# Altium PCB CRD25DA12N-FMC V1.1 (07-2023).PcbDoc (part 5 of 7)
Units mil, origin at the board's own origin, x right, y up, seen from the top; angles counter-clockwise.
Board outline 8000 x 8000 mil, 6 copper layers (Top Layer, Layer 2, Layer 3, Layer 4, Layer 5, Bottom Layer), stack 91 mil thick; 542 components, 315 nets, 1585 pads, 558 vias.
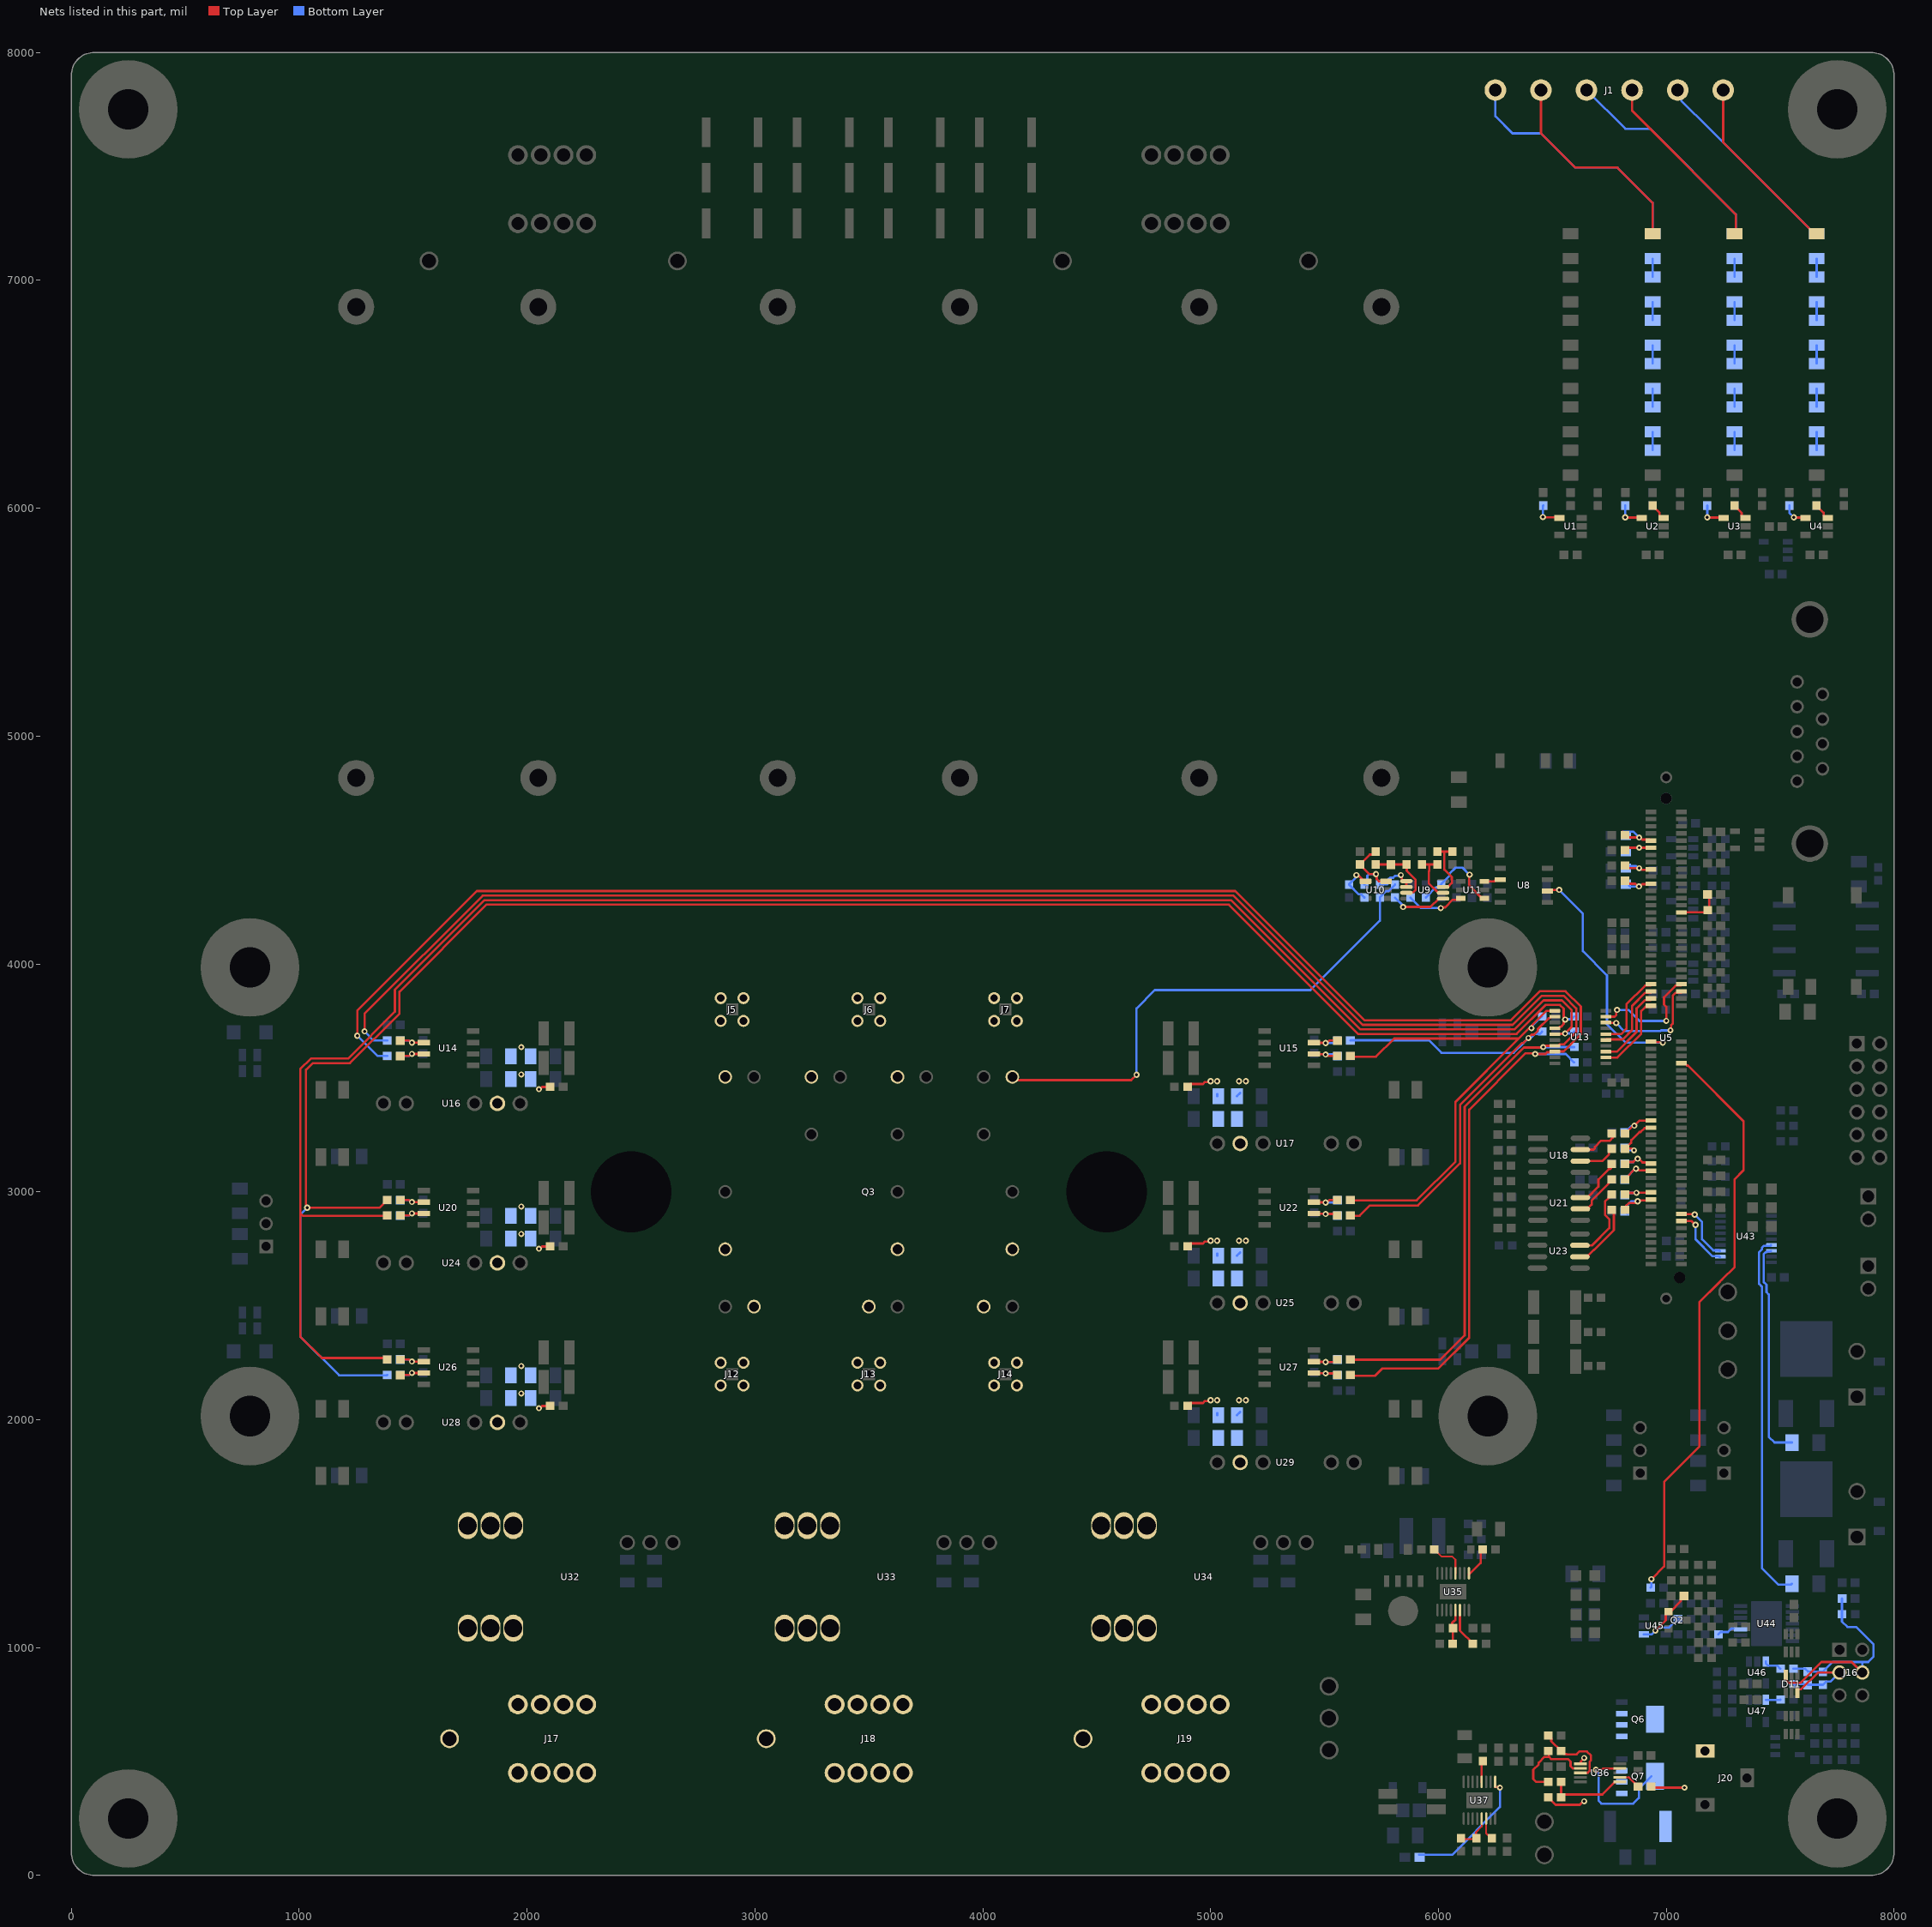
[diagram p9: the nets of this part, all layers, seen from the top]

## Via types
v1: diameter 27, hole 13, Top Layer to Bottom Layer, tented both sides, 455 vias
v2: diameter 50, hole 28, Top Layer to Bottom Layer, tented both sides, 76 vias
v3: diameter 19.68, hole 7.87, Top Layer to Bottom Layer, 27 vias

## Nets (pads, with @x,y where several pads share a name; then routed paths per layer and width w, separated by ;. In a path a pad name is that pad's centre, name@x,y a point inside that pad or via, vN(x,y) a via of type N, cw(c..) or ccw(c..) an arc to the next point about the centre after c; other vN are vias at no path point) (continued)
NetR39_2: R39.2 U2.3 | length 84.1
  Top Layer w10: R39.2@6940,6011.38 6940,6010.47 6970.59,5979.88 6970.59,5961.18 6979.37,5952.4 U2.3@6988.23,5952.4
NetR41_2: R41.2 U3.3 | length 79.1
  Top Layer w10: R41.2@7300,6011.38 7300,6010.47 7330.59,5979.88 7330.59,5966.18 7339.37,5957.4 U3.3@7348.23,5957.4
NetR43_2: R43.2 U4.3 | length 79.1
  Top Layer w10: R43.2@7660,6011.38 7660,6010.47 7690.59,5979.88 7690.59,5966.18 7699.37,5957.4 U4.3@7708.23,5957.4
NetR47_1: R47.1 R48.2 R162.2 U10.3 | length 341.8
  Top Layer w10: R47.1@5656,4436.38 5656,4435.47 5697.46,4394.02 v1(5726.14,4394.02) ; R47.1@5656,4437.28 5698.48,4479.76 5711.04,4479.76 5724,4492.72 R48.2@5724,4493.62 ; v1@5723.56,4391.44 5724.11,4391.44 5729.39,4386.16 5729.39,4372.11 5739.09,4362.4 U10.3@5780.08,4362.4
  Bottom Layer w10: R162.2@5675,4348.62 5687.96,4361.58 5687.96,4387.16 5694.81,4394.02 v1(5726.14,4394.02)
NetR50_2: R50.2 R51.1 U9.6 | length 227
  Top Layer w10: R50.2@5928,4436.38 5960,4436.38 ; R51.1@5991,4436.83 5990.54,4436.38 5960,4436.38 ; U9.6@6020.71,4312.2 5999.92,4312.2 5994.19,4317.94 5993.78,4317.94 5957.51,4354.21 5957.51,4406.31 5960,4408.8 5960,4436.38
NetR51_2: R51.2 R52.2 U9.7 | length 266.5
  Top Layer w10: R51.2@5991,4493.17 6026.27,4493.17 ; U9.7@6022.19,4339.27 6042.97,4339.27 6047.23,4343.53 6047.64,4343.53 6059.27,4355.16 6059.27,4368.13 6058.48,4368.91 6058.48,4381.68 6026.27,4413.89 6026.27,4493.17 ; R52.2@6062,4493.62 6061.54,4493.17 6026.27,4493.17
NetR68_1: R68.1 U18.7 | length 154.9
  Top Layer w10: U18.7@6638.06,3185 6680.64,3185 6686.5,3190.86 6686.5,3196.81 6714.03,3224.33 6752.28,3224.33 6765,3237.05 R68.1@6765,3240
NetR69_1: R69.1 U18.6 | length 152.8
  Top Layer w10: U18.6@6638.06,3135 6720,3135 6748.67,3163.67 6748.67,3176.04 6752.63,3180 R69.1@6765,3180
NetR70_1: R70.1 U21.7 | length 219.8
  Top Layer w10: U21.7@6623.06,2975 6654.3,2975 6702.21,3022.91 6702.21,3053.89 6747.65,3099.33 6752.28,3099.33 6765,3112.05 R70.1@6765,3115
NetR72_1: R72.1 U21.6 | length 206.2
  Top Layer w10: U21.6@6623.06,2925 6654.3,2925 6673,2943.7 6673,2961.94 6703.48,2992.42 6703.48,2992.62 6762.91,3052.05 R72.1@6762.91,3055
NetR76_1: R76.1 U23.7 | length 333.6
  Top Layer w10: U23.7@6621.11,2765 6675,2765 6750,2840 6750,2880 6731.22,2898.78 6731.22,2956.81 6747.52,2973.11 6747.52,2975.04 R76.1@6764.52,2992.05
NetR79_1: R79.1 U23.6 | length 290.1
  Top Layer w10: U23.6@6621.11,2715 6652.35,2715 6682.35,2745 6683.28,2745 6770,2831.72 6770,2912.38 R79.1@6761.38,2921
NetR99_1: R99.1 U35.4 | length 170.7
  Top Layer w8: R99.1@5983.15,1430 6013.15,1400 6060.21,1400 6074.84,1385.37 U35.4@6074.84,1346.09
  Top Layer w10: R99.1@5982.24,1430 R99.1@5983.15,1430 ; U35.4@6074.84,1325.71 U35.4@6074.84,1346.09
NetR100_1: R100.1 U35.1 | length 131.2
  Top Layer w10: U35.1@6134.18,1320 6185.39,1371.22 R100.1@6185.39,1430
NetR106_2: R106.2 R108.1 U35.13 | length 149.6
  Top Layer w8: 6074.53,1120.86 U35.13@6074.53,1164.29
  Top Layer w10: R106.2@6060.59,1090 6060.59,1109.14 6066.45,1115 6068.67,1115 6074.53,1120.86 ; R108.1@6063.03,1017 6063.03,1084.41 R106.2@6063.62,1085
NetR109_2: R109.2 U35.14 | length 174.8
  Top Layer w10: U35.14@6094.53,1164.29 6094.53,1074.33 6153.85,1015 R109.2@6154.8,1015
NetR111_2: R111.2 R114.1 U36.3 | length 358.3
  Top Layer w8: U36.3@6621.17,449.69 6655,449.69
  Top Layer w10: R111.2@6481.38,614 6482.28,614 6495.24,601.04 6495.24,588.48 6537.72,546 R114.1@6538.62,546 6551.58,533.04 6561.65,533.04 6563.19,531.5 6606.5,531.5 6618.5,543.5 6651.81,543.5 6670,525.31 6670,505 6663.1,498.1 6663.1,458.1 6655,450 6655,449.69
NetR112_1: R112.1 U37.4 | length 96.4
  Top Layer w10: U37.4@6189.84,409.25 6189.84,498.39 R112.1@6195,503.54
NetR114_2: R114.2 R116.1 U36.2 | length 405.2
  Top Layer w8: 6590,469.69 U36.2@6622.91,469.69
  Top Layer w10: R116.1@6481.38,410 6430,410 6416.5,423.5 6416.5,463.25 6440,486.75 6440,495 6465,520 6485,520 ; R114.2@6481.38,546 6485,542.38 6485,520 ; 6590,469.69 6580,479.69 6580,500 6570,510 6495,510 6485,520
NetR116_2: R116.2 R118.1 U36.6 | length 355.3
  Top Layer w8: U36.6@6774.94,410.63 U36.6@6797.09,410.63
  Top Layer w10: R116.2@6538.62,410 R118.1@6538.62,342 6551.58,354.96 6719.96,354.96 6774.04,409.04 6774.04,409.72 U36.6@6774.94,410.63
NetR117_1: R117.1 U36.7 | length 99
  Top Layer w8: U36.7@6797.09,430.32 6816,430.32 6836.06,430.32
  Top Layer w10: U36.7@6815.12,431.2 6816,430.32 U36.7@6816.9,429.41 ; 6836.06,430.32 6862.52,403.86 6862.52,402.96 6875.47,390 R117.1@6876.38,390
NetR119_1: R119.1 R120.2 U37.13 | length 148.6
  Top Layer w8: R119.1@6115.3,159.43 6164.7,159.43 6165,159.72 6165,189.49 6189.76,214.25 6189.76,247.76 U37.13@6189.84,247.83
  Top Layer w10: R119.1@6115,159.13 R119.1@6115.3,159.43
NetR121_2: R121.2 U37.14 | length 92.6
  Top Layer w8: U37.14@6209.53,247.83 6209.53,185.16 6230,164.69 R121.2@6230,163.75
NetR122_2: R122.2 R126.1 | length 79.8
  Bottom Layer w10: R126.1@7660,7015.12 R122.2@7660,7094.88
NetR123_2: R123.2 R127.1 | length 79.8
  Bottom Layer w10: R127.1@7300,7015.12 R123.2@7300,7094.88
NetR124_2: R124.2 R128.1 | length 79.8
  Bottom Layer w10: R128.1@6940,7015.12 R124.2@6940,7094.88
NetR126_2: R126.2 R130.1 | length 79.8
  Bottom Layer w10: R130.1@7660,6825.12 R126.2@7660,6904.88
NetR127_2: R127.2 R131.1 | length 79.8
  Bottom Layer w10: R131.1@7300,6825.12 R127.2@7300,6904.88
NetR128_2: R128.2 R132.1 | length 79.8
  Bottom Layer w10: R132.1@6940,6825.12 R128.2@6940,6904.88
NetR130_2: R130.2 R134.1 | length 79.8
  Bottom Layer w10: R134.1@7660,6635.12 R130.2@7660,6714.88
NetR131_2: R131.2 R135.1 | length 79.8
  Bottom Layer w10: R135.1@7300,6635.12 R131.2@7300,6714.88
NetR132_2: R132.2 R136.1 | length 79.8
  Bottom Layer w10: R136.1@6940,6635.12 R132.2@6940,6714.88
NetR134_2: R134.2 R138.1 | length 79.8
  Bottom Layer w10: R138.1@7660,6445.12 R134.2@7660,6524.88
NetR135_2: R135.2 R139.1 | length 79.8
  Bottom Layer w10: R139.1@7300,6445.12 R135.2@7300,6524.88
NetR136_2: R136.2 R140.1 | length 79.8
  Bottom Layer w10: R140.1@6940,6445.12 R136.2@6940,6524.88
NetR138_2: R138.2 R142.1 | length 79.8
  Bottom Layer w10: R142.1@7660,6255.12 R138.2@7660,6334.88
NetR139_2: R139.2 R143.1 | length 79.8
  Bottom Layer w10: R143.1@7300,6255.12 R139.2@7300,6334.88
NetR140_2: R140.2 R144.1 | length 79.8
  Bottom Layer w10: R144.1@6940,6255.12 R140.2@6940,6334.88
NetR147_2: R147.2 U4.4 | length 112.5
  Top Layer w10: v1(7560,5960) 7561.3,5958.7 7610.47,5958.7 U4.4@7611.77,5957.4
  Bottom Layer w10: R147.2@7540,6011.38 7540,5980 v1(7560,5960)
NetR149_2: R149.2 U3.4 | length 124.2
  Top Layer w10: v1(7180,5960) 7181.3,5958.7 7250.47,5958.7 U3.4@7251.77,5957.4
  Bottom Layer w10: v1(7180,5960) R149.2@7180,6011.38
NetR151_2: R151.2 U2.4 | length 124.2
  Top Layer w10: v1(6820,5960) 6821.3,5958.7 6890.47,5958.7 U2.4@6891.77,5957.4
  Bottom Layer w10: v1(6820,5960) R151.2@6820,6011.38
NetR153_2: R153.2 U1.4 | length 125.4
  Top Layer w10: v1(6458.58,5961.42) 6460.59,5959.41 6529.76,5959.41 U1.4@6531.77,5957.4
  Bottom Layer w10: v1(6458.58,5961.42) 6458.58,6009.96 R153.2@6460,6011.38
NetR157_2: R157.2 R158.1 U11.4 | length 403.6
  Top Layer w10: v1(6136.75,4391.89) 6135,4390.14 6135,4343.94 6191.34,4287.6 U11.4@6201.18,4287.6
  Bottom Layer w10: R158.1@5945,4291.38 5945,4292.28 5987.48,4334.76 5999.04,4334.76 R157.2@6012,4347.72 ; R157.2@6012,4348.62 6012,4349.53 6050.07,4387.59 6050.07,4397.39 6075.18,4422.5 6106.5,4422.5 6136.75,4392.25 v1(6136.75,4391.89)
NetR159_2: R159.2 U11.3 | length 258.2
  Top Layer w10: v1(6010,4245) 6013.25,4248.25 6029.63,4248.25 6063.15,4281.77 6092.99,4281.77 U11.3@6098.82,4287.6
  Bottom Layer w10: R159.2@5878,4291.38 5878,4290.47 5923.47,4245 v1(6010,4245)
NetR160_1: R160.1 U9.5 | length 246.8
  Top Layer w10: v1(5845,4250) 5965.39,4250 6002.01,4286.61 U9.5@6020.71,4286.61
  Bottom Layer w10: R160.1@5810,4291.38 5810,4290.47 5841.75,4258.73 5841.75,4253.25 v1(5845,4250)
NetR161_2: R161.2 U9.1 U9.2 | length 191.4
  Top Layer w10: v1(5835,4390) 5835,4385.4 5839.11,4381.29 5839.11,4366.95 5842.68,4363.39 U9.1@5859.29,4363.39 U9.2@5859.29,4337.8
  Bottom Layer w10: R161.2@5743,4348.62 5775.19,4348.62 5781.04,4354.48 5781.04,4372.04 5787.49,4378.48 5801.5,4378.48 5809.76,4386.75 5831.75,4386.75 v1(5835,4390)
NetR162_1: R162.1 R163.2 U10.4 | length 207.8
  Top Layer w10: v1(5640,4390) 5643.25,4386.75 5651.21,4386.75 5675.55,4362.4 U10.4@5689.92,4362.4
  Bottom Layer w10: v1(5640,4390) 5636.75,4386.75 5636.75,4378.27 5608,4349.53 5608,4347.72 5650.48,4305.24 5662.04,4305.24 5675,4292.28 R162.1@5675,4291.38
NetR217_1: R217.1 U44.3 | length 76.6
  Bottom Layer w10: R217.1@7228.62,1058 7238.6,1067.98 7271.26,1067.98 7286.55,1083.27 7294.76,1083.27
NetR220_2: R220.2 U46.3 | length 82.1
  Bottom Layer w10: U46.3@7437.4,938.23 7437.4,929.37 7446.18,920.59 7486.88,920.59 7500.47,907 R220.2@7501.38,907
NetR224_2: R224.2 U47.3 | length 64.4
  Bottom Layer w10: U47.3@7437.4,770 7500.38,770 R224.2@7501.38,771
NetR230_1: R230.1 U37.1 | length 571.8
  Top Layer w10: U37.1@6248.9,410.71 6248.9,388.33 6248.98,388.25 6266.75,388.25 v1(6270,385)
  Bottom Layer w10: R230.1@5915,90 6060,90 6270,300 v1(6270,385)
NTC1: Q3.NTC2 R160.2 R161.1 | length 2273.2
  Top Layer w10: Q3.NTC2@4129.92,3503.94 4143.45,3503.94 4157.39,3490 4651.79,3490 v1@4675.13,3513.34
  Bottom Layer w10: v1@4675.13,3513.34 4675,3513.47 4675,3805 4755,3885 5438.28,3885 5743,4189.72 R161.1@5743,4291.38 5743,4292.28 5770.72,4320 5782.28,4320 5810,4347.72 R160.2@5810,4348.62
  other v1: 4675,3513.34
NTC_BIAS: C13.1 R48.1 R49.2 U9.3 | length 310
  Top Layer w10: R48.1@5724,4436.38 C13.1@5792,4436.42 C13.1@5792,4436.42 R49.2@5860,4436.38 R49.2@5860,4436.38 5861.09,4435.29 5861.09,4408.38 5900,4369.46 5900,4325 5890,4315 5888.68,4313.68 5860.77,4313.68 U9.3@5859.29,4312.2
NTC_ISO: U5.57 U8.6 | length 1060.5
  Top Layer w10: U8.6@6478.35,4325 v1(6530,4325) ; U5.57@6933.07,3659.25 6935.2,3657.13 6982.87,3657.13 v1(6985,3655)
  Bottom Layer w10: v1(6530,4325) 6634.13,4220.87 6634.13,4055.87 6740,3950 6740,3735 6820,3655 v1(6985,3655)
NTC_PWM: U8.2 U11.6 | length 75.7
  Top Layer w10: U11.6@6201.18,4362.4 6245.28,4362.4 6257.87,4375 U8.2@6271.65,4375
RELAY1: R208.1 U43.17 | length 1624.2
  Bottom Layer w10: U43.17@7459.41,2765.59 7456.69,2762.87 7428.03,2762.87 7420,2754.84 7420,2747.41 7407.58,2734.99 7407.58,2596.32 7420,2583.91 7420,1348.28 7492.43,1275.86 7547.65,1275.86 R208.1@7551.79,1280
RELAY1_OUT: U5.106 U43.3 | length 280.2
  Top Layer w10: U5.106@7066.93,2903.35 7068.6,2901.67 7123.33,2901.67 v1(7125,2900)
  Bottom Layer w10: v1(7125,2900) 7157,2868 7157,2792.03 7206.16,2742.87 7232.13,2742.87 U43.3@7235,2740
RELAY2: R205.1 U43.18 | length 960.6
  Bottom Layer w10: U43.18@7459.41,2740 7457.56,2738.15 7443.58,2738.15 7439.74,2734.31 7435.18,2734.31 7427.58,2726.71 7427.58,2604.61 7440,2592.19 7440,2560 7450,2550 7450,1925 7475,1900 7551.56,1900 R205.1@7551.79,1899.76
RELAY2_OUT: U5.108 U43.2 | length 268.3
  Top Layer w10: U5.108@7066.93,2871.85 7109.87,2871.85 v1@7126.87,2854.85
  Bottom Layer w10: v1(7128.5,2854.85) 7128.5,2792.25 7203.47,2717.28 7232.13,2717.28 U43.2@7235,2714.41
RSLV_PWM: R209.1 U5.64 | length 2593.5
  Top Layer w10: v1(6935,1300) 6990.61,1355.61 6990.61,1727.11 7145,1881.5 7145,2514.67 7230.16,2599.84 7244.66,2614.33 7300,2669.67 7300,3055 7338.86,3093.86 7338.86,3310.36 7101.55,3547.67 7095.11,3554.11 7091.36,3554.11 7080.71,3564.76 U5.64@7066.93,3564.76
  Bottom Layer w10: R209.1@6931.38,1263 6935,1266.62 v1(6935,1300)
RSLV_PWM_FILT: C41.1 Q2.1 R215.2 U45.1 | length 383.9
  Top Layer w10: v1(6952.26,1074.16) 6997.91,1119.81 6997.91,1146.65 7008.66,1157.4 Q2.1@7010.63,1157.4 ; Q2.1@7015.63,1157.4 7017.6,1157.4 7063.76,1203.57 7063.76,1213.14 7077.63,1227 C41.1@7078.58,1227
  Bottom Layer w10: U45.1@6901.77,1057.6 6935.7,1057.6 v1(6952.26,1074.16) 6956.86,1074.16 6970.8,1088.1 7012.57,1088.1 7050.47,1126 R215.2@7051.38,1126
S1: C122.2 C123.1 C127.2 C128.1 J5.2 J5.3 J5.4 J5.5 Q3.S1 R231.1 U24.6 | length 53.2
  Top Layer w10: v1(2052.3,2750) 2056.9,2750 2066.9,2760 R231.1@2101.38,2760
  other v1: 1975,2815 1975,2935
S2: C143.2 C144.1 C146.2 C147.1 J12.2 J12.3 J12.4 J12.5 Q3.S2 R234.1 U28.6 | length 53.2
  Top Layer w10: v1(2052.3,2050) 2056.9,2050 2066.9,2060 R234.1@2101.38,2060
  other v1: 1975,2115 1975,2235
S3: C91.2 C92.1 C96.2 C97.1 J6.2 J6.3 J6.4 J6.5 Q3.S3 R232.1 U16.6 | length 53.2
  Top Layer w10: v1(2052.3,3450) 2056.9,3450 2066.9,3460 R232.1@2101.38,3460
  other v1: 1975,3515 1975,3635
S4: C150.1 C151.2 C152.1 C153.2 J13.2 J13.3 J13.4 J13.5 Q3.S4 R235.1 U29.6 | length 140.7
  Top Layer w10: R235.1@4898.62,2060 4911.58,2072.96 4966.5,2072.96 4975.29,2081.75 4996.75,2081.75 v1(5000,2085)
  Bottom Layer w10: C151.2@5029.19,2020 C151.2@5029.19,2028.91 ; C150.1@5115.81,2020 C150.1@5130,2034.19
  other v1: 5029.19,2085 5125,2085 5155,2085
S5: C98.1 C99.2 C100.1 C101.2 J7.2 J7.3 J7.4 J7.5 Q3.S5 R233.1 U17.6 | length 140.7
  Top Layer w10: R233.1@4898.62,3460 4911.58,3472.96 4966.5,3472.96 4975.29,3481.75 4996.75,3481.75 v1(5000,3485)
  Bottom Layer w10: C99.2@5029.19,3420 C99.2@5029.19,3428.91 ; C98.1@5115.81,3420 C98.1@5130,3434.19
  other v1: 5029.19,3485 5125,3485 5155,3485
S6: C130.1 C131.2 C133.1 C134.2 J14.2 J14.3 J14.4 J14.5 Q3.S6 R236.1 U25.6 | length 140.7
  Top Layer w10: R236.1@4898.62,2760 4911.58,2772.96 4966.5,2772.96 4975.29,2781.75 4996.75,2781.75 v1(5000,2785)
  Bottom Layer w10: C131.2@5029.19,2720 C131.2@5029.19,2728.91 ; C130.1@5115.81,2720 C130.1@5130,2734.19
  other v1: 5029.19,2785 5125,2785 5155,2785
SIN: C16.1 R55.2 U5.30 | length 184.6
  Top Layer w10: U5.30@7066.93,4226.18 7171.56,4226.18 R55.2@7181.38,4236 ; R55.2@7187.44,4240 7188.72,4241.28 7188.72,4303.72 C16.1@7190,4305
SIN_N: C168.2 C173.2 D11.6 J16.4 R214.2 R220.1 R221.1 | length 1200.7
  Top Layer w10: D11.6@7524.41,879.37 7528.27,875.51 7528.27,854.05 7536.59,845.73 7590,845.73 7669.27,925 7670,925 7681.5,936.5 7813.5,936.5 J16.4@7860,890
  Bottom Layer w10: R220.1@7558.62,907 7609.53,907 C173.2@7622,894.53 ; C173.2@7622,893.58 7689.96,893.58 7689.96,896.48 7729.97,936.5 7860,936.5 ; C168.2@7771.42,1215 C168.2@7771.42,1215 R214.2@7771.38,1146 7771.38,1113.62 7795,1090 7834.14,1090 7910,1014.14 7910,960 7886.5,936.5 7860,936.5 ; J16.4@7850,900 J16.4@7860,890 7860,936.5
SIN_P: C173.1 D11.3 J16.3 R221.2 R223.1 | length 453.9
  Top Layer w10: D11.3@7575.59,800.63 7575.59,813.11 7579.45,816.96 7591.96,816.96 7665,890 J16.3@7760,890
  Bottom Layer w10: R223.1@7558.62,839 7619.42,839 7622,836.42 R221.2@7688,836.38 7688,837.28 7700.96,850.24 7720.24,850.24 J16.3@7760,890
U: Q3.U U32.4 U32.5 U32.6
U_HI_OC: C102.1 R68.2 U5.79 | length 191.4
  Top Layer w10: R68.2@6818.62,3256 6819.53,3256 6850.27,3286.75 6856.75,3286.75 6882.8,3312.8 U5.79@6933.07,3312.8
  Bottom Layer w10: C102.1@6818.58,3261 6819.53,3261 6845.27,3286.75 6856.75,3286.75 v1(6860,3290)
U_HS: R77.1 R176.2 R204.1 U13.14 | length 8340.1
  Top Layer w10: R77.1@1386.38,2964 1385.47,2964 1351.47,2930 v1(1035,2930) 1031.75,2933.25 1031.75,2942.61 1030,2944.36 1030,3535 1060,3565 1222.55,3565 1440,3782.45 1440,3878.43 1821.57,4260 5080,4260 5647.28,3692.72 6342.57,3692.72 6469.85,3820 6533.43,3820 6550,3803.43 v1@6550,3755 ; U13.14@6510.59,3717.36 6526.34,3717.36 6533.06,3724.08 6537.62,3724.08 6550,3736.46 v1@6550,3755 ; v1(6556.77,3755.76) 6550.76,3755.76 v1@6550,3755
  Bottom Layer w10: v1(1035,2930) 1005,2900 1005,2365 1175,2195 1385.38,2195 R204.1@1386.38,2196 ; v1(6556.77,3755.76) 6558.05,3757.04 6583.42,3757.04 R176.2@6596.38,3770
U_HS+_FILT: C115.1 R77.2 U20.2 | length 162
  Top Layer w10: R77.2@1443.62,2964 1481.4,2964 1490.4,2955 v1(1495,2955) U20.2@1546.73,2955
  Bottom Layer w10: C115.1@1443.58,2964 1481.4,2964 1490.4,2955 v1(1495,2955)
U_HS-_FILT: C36.1 R204.2 U26.3 | length 162
  Top Layer w10: C36.1@1443.58,2196 1481.4,2196 1490.4,2205 v1(1495,2205) U26.3@1546.73,2205
  Bottom Layer w10: R204.2@1443.62,2196 1481.4,2196 1490.4,2205 v1(1495,2205)
U_HS_PWM: U5.49 U13.6 | length 353.2
  Top Layer w10: U13.6@6735,3691.77 6801.77,3691.77 6825,3715 6825,3822.63 6906.98,3904.61 6930.16,3904.61 U5.49@6935,3909.45
U_LO_OC: C103.1 R69.2 U5.81 | length 250
  Top Layer w10: v1@6855,3189.96 6858.45,3186.51 v1(6858.45,3181.91) ; v1@6855,3190 R69.2@6820.53,3190 ; U5.81@6933.07,3281.3 6931.77,3280 6905,3280 6887.5,3262.5 6882.19,3262.5 6846.5,3226.81 6846.5,3215 6845.53,3215 R69.2@6820.53,3190 ; R69.2@6820.53,3190 6819.62,3190 R69.2@6818.62,3189 6819.53,3189 R69.2@6820.53,3190
  Bottom Layer w10: C103.1@6818.58,3192 6828.67,3181.91 v1(6858.45,3181.91)
U_LS: R80.1 R91.1 R179.2 U13.15 | length 8433.7
  Top Layer w10: 1006.5,2904.36 1015.86,2895 R80.1@1386.38,2895 ; R91.1@1386.38,2264 1379.75,2270.63 1099.37,2270.63 1005,2365 1005,2904.36 1005,3538.28 1051.72,3585 1214.27,3585 1420,3790.73 1420,3886.72 1813.28,4280 5090,4280 5657.28,3712.72 6334.28,3712.72 6461.57,3840 6541.72,3840 6585.27,3796.45 6585.27,3724.28 6554.37,3693.39 6512.2,3693.39 U13.15@6510.59,3691.77
  Bottom Layer w10: v1(6555.98,3695) 6588.38,3695 R179.2@6596.38,3703
U_LS+_FILT: C138.1 R91.2 U26.2 | length 162
  Top Layer w10: R91.2@1443.62,2264 1481.4,2264 1490.4,2255 v1(1495,2255) U26.2@1546.73,2255
  Bottom Layer w10: C138.1@1443.58,2264 1481.4,2264 1490.4,2255 v1(1495,2255)
U_LS-_FILT: C120.1 R80.2 U20.3 | length 162
  Top Layer w10: R80.2@1443.62,2896 1481.4,2896 1490.4,2905 v1(1495,2905) U20.3@1546.73,2905
  Bottom Layer w10: C120.1@1443.58,2896 1481.4,2896 1490.4,2905 v1(1495,2905)
U_LS_PWM: U5.51 U13.5 | length 349.9
  Top Layer w10: U13.5@6735,3666.18 6737.72,3668.9 6808.84,3668.9 6850,3710.05 6850,3816.13 6906.98,3873.11 6930.16,3873.11 U5.51@6935,3877.95
U_OUT: J17.1 J17.2 J17.3 J17.4 J17.5 J17.6 J17.7 J17.8 TP10.1 U32.1 U32.2 U32.3